# EAGLE board Mk4 Final a Panel score (EAGLE 9.0.1), part 20 of 24
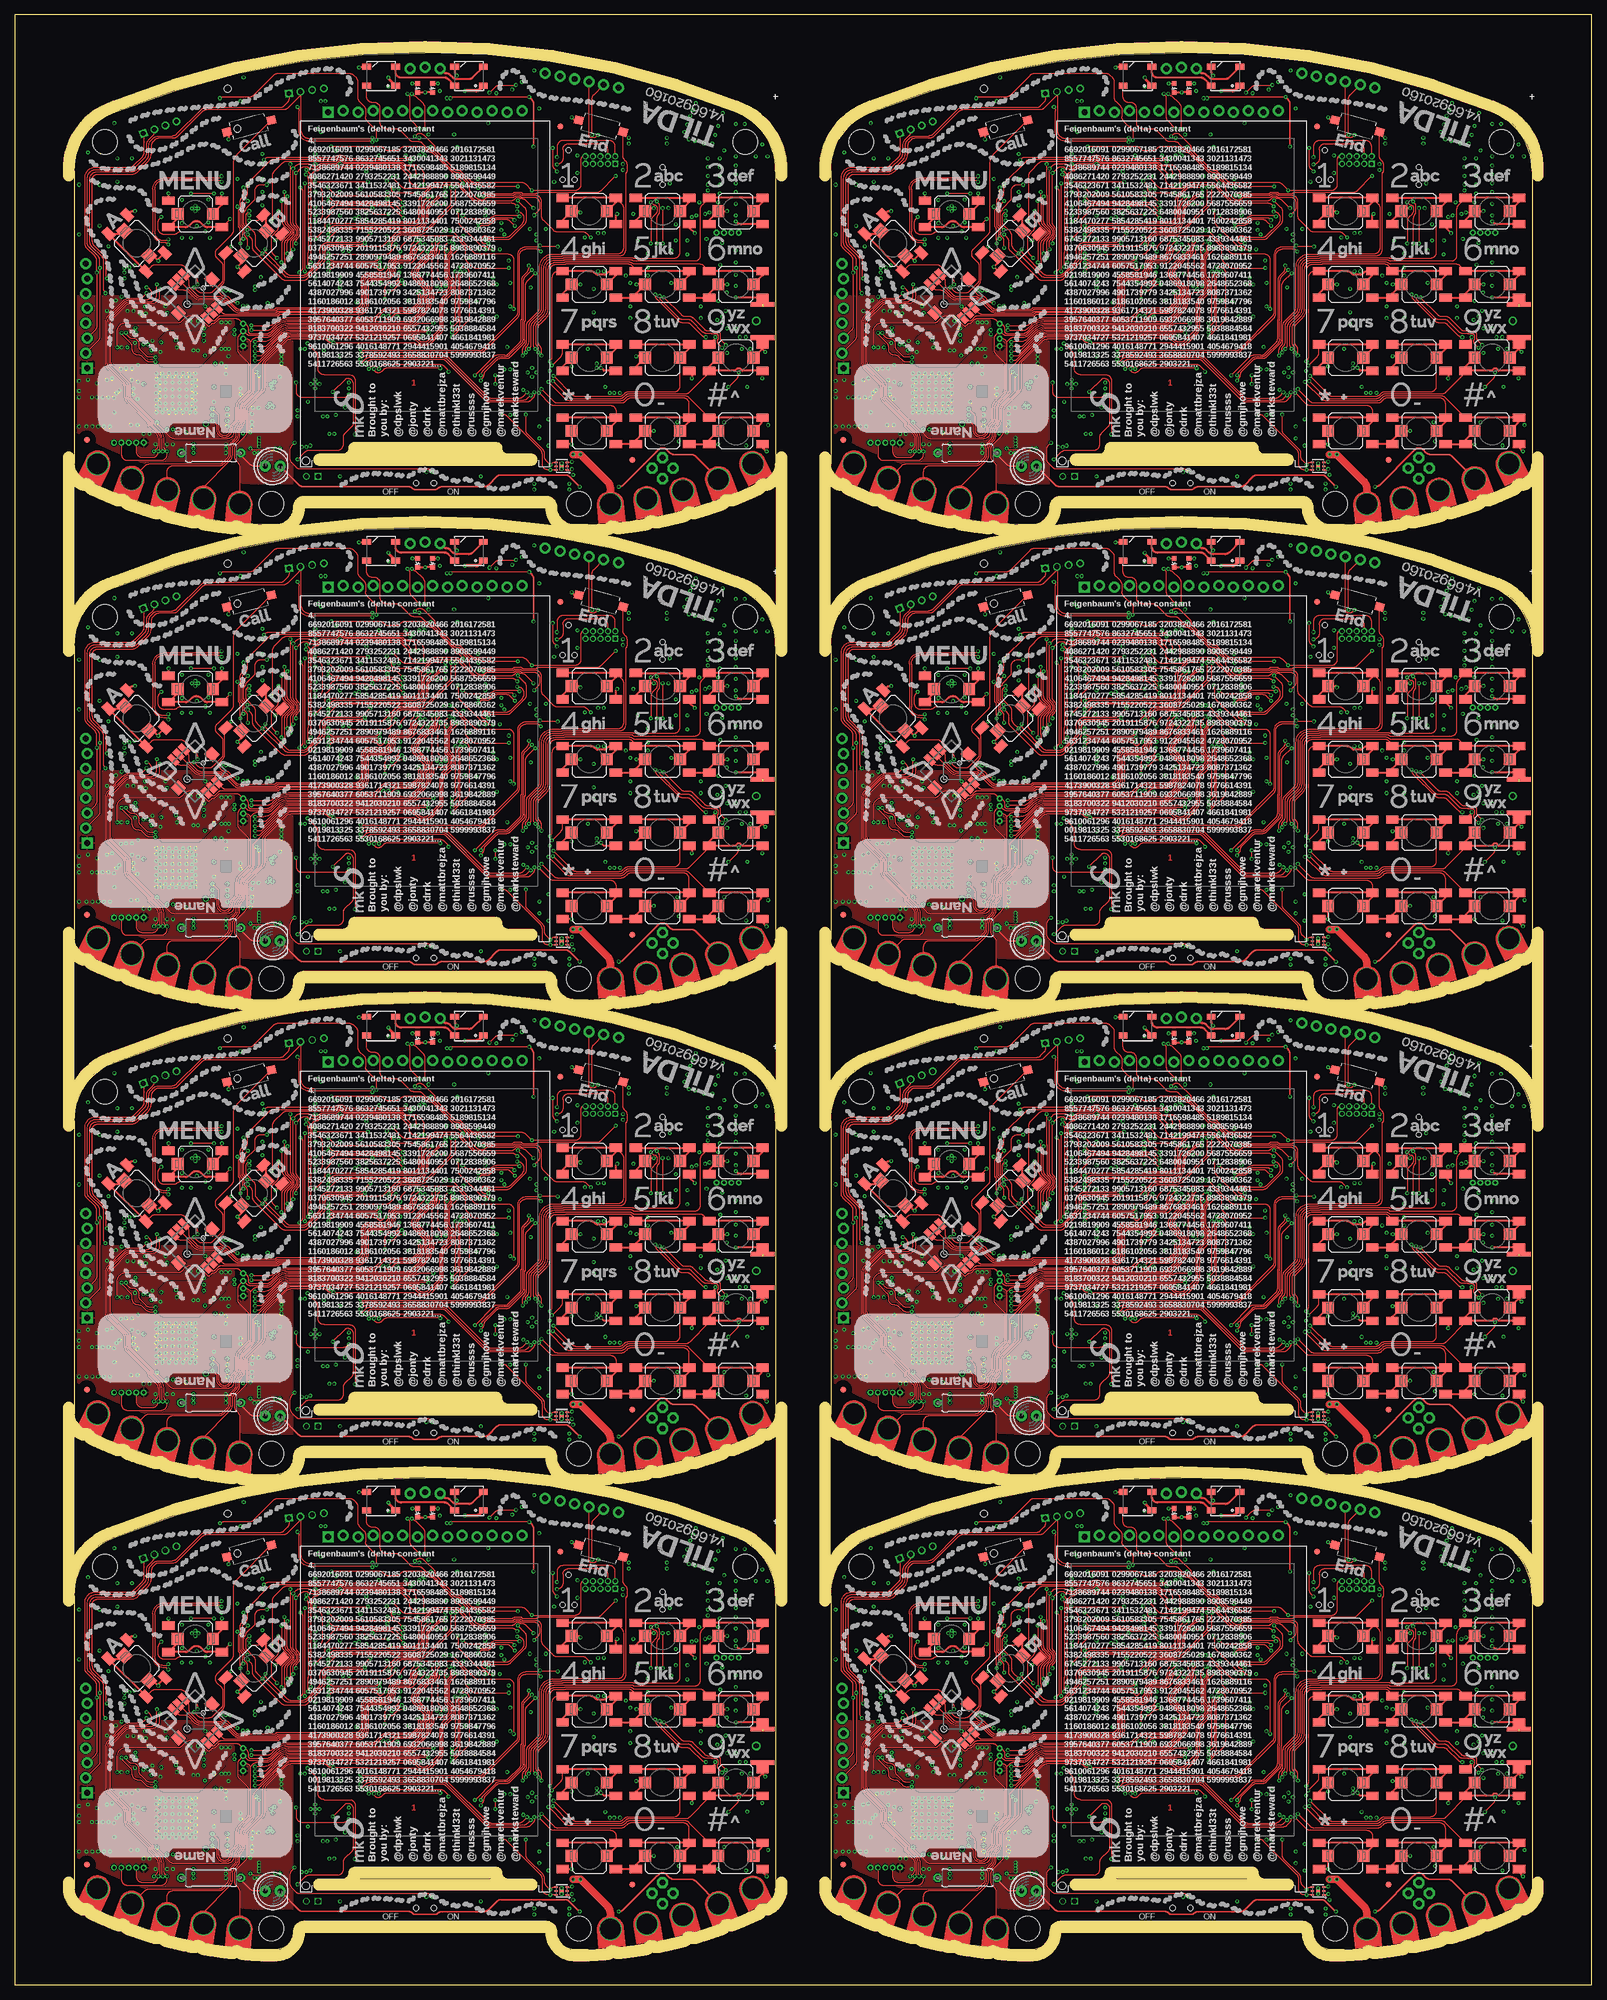
[diagram p0: board, top side]
## Tracks (layer width: path | path; a pad name or v marks a point on that pad's centre or on a via) (continued)
SSI2_CC_MISO1  (via drill 0.3) (continued)
  Top 0.15: v170,34.8 171.08,34.8 174.67,38.39 arc-45 175.9,38.9 199.24,38.9 arc-45 v199.6,38.75 | v205.75,49.24 205.53,49.01 arc-45 205.5,48.96 205.19,48.65 arc45 204.9,47.94 204.9,40.21 arc-45 204.61,39.51 203.9,38.8 v203.6,38.8
  Bottom 0.15: IC29.7 157.25,23 R149.1 157.59,22.75 arc-45 158.29,22.46 159.06,21.69 arc45 160.12,21.25 165.45,21.25 arc90 166.7,22.5 166.7,24.43 arc-45 167.07,25.32 168.49,26.74 arc45 169,27.98 169,33.39 arc-45 169.29,34.09 v170,34.8 | IC20.1 205.2,50.6 205.31,50.49 arc-45 205.6,49.79 205.6,49.6 arc45 v205.75,49.24 | v203.6,38.8 203.55,38.75 v199.6,38.75
SSI2_CC_MISO2  (via drill 0.3)
  Top 0.15: v41,115.8 42.08,115.8 45.67,119.39 arc-45 46.9,119.9 70.24,119.9 arc-45 v70.6,119.75 | v76.75,130.24 76.53,130.01 arc-45 76.5,129.96 76.19,129.65 arc45 75.9,128.94 75.9,121.21 arc-45 75.61,120.51 74.9,119.8 v74.6,119.8
  Bottom 0.15: IC47.7 28.25,104 R227.1 28.59,103.75 arc-45 29.29,103.46 30.06,102.69 arc45 31.12,102.25 36.45,102.25 arc90 37.7,103.5 37.7,105.43 arc-45 38.07,106.32 39.49,107.74 arc45 40,108.97 40,114.39 arc-45 40.29,115.09 v41,115.8 | IC38.1 76.2,131.6 76.31,131.49 arc-45 76.6,130.79 76.6,130.6 arc45 v76.75,130.24 | v74.6,119.8 74.55,119.75 v70.6,119.75
SSI2_CC_MISO3  (via drill 0.3)
  Top 0.15: v170,115.8 171.08,115.8 174.67,119.39 arc-45 175.9,119.9 199.24,119.9 arc-45 v199.6,119.75 | v205.75,130.24 205.53,130.01 arc-45 205.5,129.96 205.19,129.65 arc45 204.9,128.94 204.9,121.21 arc-45 204.61,120.51 203.9,119.8 v203.6,119.8
  Bottom 0.15: IC65.7 157.25,104 R305.1 157.59,103.75 arc-45 158.29,103.46 159.06,102.69 arc45 160.12,102.25 165.45,102.25 arc90 166.7,103.5 166.7,105.43 arc-45 167.07,106.32 168.49,107.74 arc45 169,108.97 169,114.39 arc-45 169.29,115.09 v170,115.8 | IC56.1 205.2,131.6 205.31,131.49 arc-45 205.6,130.79 205.6,130.6 arc45 v205.75,130.24 | v203.6,119.8 203.55,119.75 v199.6,119.75
SSI2_CC_MISO4  (via drill 0.3)
  Top 0.15: v41,196.8 42.08,196.8 45.67,200.39 arc-45 46.9,200.9 70.24,200.9 arc-45 v70.6,200.75 | v76.75,211.24 76.53,211.01 arc-45 76.5,210.96 76.19,210.65 arc45 75.9,209.94 75.9,202.21 arc-45 75.61,201.51 74.9,200.8 v74.6,200.8
  Bottom 0.15: IC83.7 28.25,185 R383.1 28.59,184.75 arc-45 29.29,184.46 30.06,183.69 arc45 31.12,183.25 36.45,183.25 arc90 37.7,184.5 37.7,186.43 arc-45 38.07,187.32 39.49,188.74 arc45 40,189.97 40,195.39 arc-45 40.29,196.09 v41,196.8 | IC74.1 76.2,212.6 76.31,212.49 arc-45 76.6,211.79 76.6,211.6 arc45 v76.75,211.24 | v74.6,200.8 74.55,200.75 v70.6,200.75
SSI2_CC_MISO5  (via drill 0.3)
  Top 0.15: v170,196.8 171.08,196.8 174.67,200.39 arc-45 175.9,200.9 199.24,200.9 arc-45 v199.6,200.75 | v205.75,211.24 205.53,211.01 arc-45 205.5,210.96 205.19,210.65 arc45 204.9,209.94 204.9,202.21 arc-45 204.61,201.51 203.9,200.8 v203.6,200.8
  Bottom 0.15: IC101.7 157.25,185 R461.1 157.59,184.75 arc-45 158.29,184.46 159.06,183.69 arc45 160.12,183.25 165.45,183.25 arc90 166.7,184.5 166.7,186.43 arc-45 167.07,187.32 168.49,188.74 arc45 169,189.97 169,195.39 arc-45 169.29,196.09 v170,196.8 | IC92.1 205.2,212.6 205.31,212.49 arc-45 205.6,211.79 205.6,211.6 arc45 v205.75,211.24 | v203.6,200.8 203.55,200.75 v199.6,200.75
SSI2_CC_MISO6  (via drill 0.3)
  Top 0.15: v41,277.8 42.08,277.8 45.67,281.39 arc-45 46.9,281.9 70.24,281.9 arc-45 v70.6,281.75 | v76.75,292.24 76.53,292.01 arc-45 76.5,291.96 76.19,291.65 arc45 75.9,290.94 75.9,283.21 arc-45 75.61,282.51 74.9,281.8 v74.6,281.8
  Bottom 0.15: IC119.7 28.25,266 R539.1 28.59,265.75 arc-45 29.29,265.46 30.06,264.69 arc45 31.12,264.25 36.45,264.25 arc90 37.7,265.5 37.7,267.43 arc-45 38.07,268.32 39.49,269.74 arc45 40,270.98 40,276.39 arc-45 40.29,277.09 v41,277.8 | IC110.1 76.2,293.6 76.31,293.49 arc-45 76.6,292.79 76.6,292.6 arc45 v76.75,292.24 | v74.6,281.8 74.55,281.75 v70.6,281.75
SSI2_CC_MISO7  (via drill 0.3)
  Top 0.15: v170,277.8 171.08,277.8 174.67,281.39 arc-45 175.9,281.9 199.24,281.9 arc-45 v199.6,281.75 | v205.75,292.24 205.53,292.01 arc-45 205.5,291.96 205.19,291.65 arc45 204.9,290.94 204.9,283.21 arc-45 204.61,282.51 203.9,281.8 v203.6,281.8
  Bottom 0.15: IC137.7 157.25,266 R617.1 157.59,265.75 arc-45 158.29,265.46 159.06,264.69 arc45 160.12,264.25 165.45,264.25 arc90 166.7,265.5 166.7,267.43 arc-45 167.07,268.32 168.49,269.74 arc45 169,270.98 169,276.39 arc-45 169.29,277.09 v170,277.8 | IC128.1 205.2,293.6 205.31,293.49 arc-45 205.6,292.79 205.6,292.6 arc45 v205.75,292.24 | v203.6,281.8 203.55,281.75 v199.6,281.75
SSI2_CC_MOSI  (via drill 0.3)
  Top 0.15: v41,35.6 42.45,35.6 45.47,38.61 arc-45 46.88,39.2 69.89,39.2 arc45 v70.59,39.49 v70.6,39.5 | v76,50 76.5,50 arc-90 77.5,49 77.5,41.31 arc-45 77.21,40.61 v74.6,38
  Bottom 0.15: IC15.6 28.75,23.91 arc45 29.04,23.21 30.23,22.02 arc45 31.12,21.65 34.75,21.65 34.78,21.62 36.4,21.62 arc90 37.4,22.62 37.4,24.45 arc-45 37.84,25.51 39.26,26.93 arc45 39.7,28 39.7,33.89 arc-45 39.99,34.59 v41,35.6 | IC1.2 75.8,50.48 arc45 v76,50 | v70.6,39.5 arc90 70,38.9 arc90 70.9,38 v74.6,38
SSI2_CC_MOSI1  (via drill 0.3)
  Top 0.15: v170,35.6 171.45,35.6 174.47,38.61 arc-45 175.88,39.2 198.89,39.2 arc45 v199.59,39.49 v199.6,39.5 | v205,50 205.5,50 arc-90 206.5,49 206.5,41.31 arc-45 206.21,40.61 v203.6,38
  Bottom 0.15: IC29.6 157.75,23.91 arc45 158.04,23.21 159.23,22.02 arc45 160.12,21.65 163.75,21.65 163.78,21.62 165.4,21.62 arc90 166.4,22.62 166.4,24.45 arc-45 166.84,25.51 168.26,26.93 arc45 168.7,28 168.7,33.89 arc-45 168.99,34.59 v170,35.6 | IC20.2 204.8,50.48 arc45 v205,50 | v199.6,39.5 arc90 199,38.9 arc90 199.9,38 v203.6,38
SSI2_CC_MOSI2  (via drill 0.3)
  Top 0.15: v41,116.6 42.45,116.6 45.47,119.61 arc-45 46.88,120.2 69.89,120.2 arc45 v70.59,120.49 v70.6,120.5 | v76,131 76.5,131 arc-90 77.5,130 77.5,122.31 arc-45 77.21,121.61 v74.6,119
  Bottom 0.15: IC47.6 28.75,104.91 arc45 29.04,104.21 30.23,103.02 arc45 31.12,102.65 34.75,102.65 34.78,102.62 36.4,102.62 arc90 37.4,103.62 37.4,105.45 arc-45 37.84,106.51 39.26,107.94 arc45 39.7,109 39.7,114.89 arc-45 39.99,115.59 v41,116.6 | IC38.2 75.8,131.48 arc45 v76,131 | v70.6,120.5 arc90 70,119.9 arc90 70.9,119 v74.6,119
SSI2_CC_MOSI3  (via drill 0.3)
  Top 0.15: v170,116.6 171.45,116.6 174.47,119.61 arc-45 175.88,120.2 198.89,120.2 arc45 v199.59,120.49 v199.6,120.5 | v205,131 205.5,131 arc-90 206.5,130 206.5,122.31 arc-45 206.21,121.61 v203.6,119
  Bottom 0.15: IC65.6 157.75,104.91 arc45 158.04,104.21 159.23,103.02 arc45 160.12,102.65 163.75,102.65 163.78,102.62 165.4,102.62 arc90 166.4,103.62 166.4,105.45 arc-45 166.84,106.51 168.26,107.94 arc45 168.7,109 168.7,114.89 arc-45 168.99,115.59 v170,116.6 | IC56.2 204.8,131.48 arc45 v205,131 | v199.6,120.5 arc90 199,119.9 arc90 199.9,119 v203.6,119
SSI2_CC_MOSI4  (via drill 0.3)
  Top 0.15: v41,197.6 42.45,197.6 45.47,200.61 arc-45 46.88,201.2 69.89,201.2 arc45 v70.59,201.49 v70.6,201.5 | v76,212 76.5,212 arc-90 77.5,211 77.5,203.31 arc-45 77.21,202.61 v74.6,200
  Bottom 0.15: IC83.6 28.75,185.91 arc45 29.04,185.21 30.23,184.02 arc45 31.12,183.65 34.75,183.65 34.78,183.62 36.4,183.62 arc90 37.4,184.62 37.4,186.45 arc-45 37.84,187.51 39.26,188.94 arc45 39.7,190 39.7,195.89 arc-45 39.99,196.59 v41,197.6 | IC74.2 75.8,212.48 arc45 v76,212 | v70.6,201.5 arc90 70,200.9 arc90 70.9,200 v74.6,200
SSI2_CC_MOSI5  (via drill 0.3)
  Top 0.15: v170,197.6 171.45,197.6 174.47,200.61 arc-45 175.88,201.2 198.89,201.2 arc45 v199.59,201.49 v199.6,201.5 | v205,212 205.5,212 arc-90 206.5,211 206.5,203.31 arc-45 206.21,202.61 v203.6,200
  Bottom 0.15: IC101.6 157.75,185.91 arc45 158.04,185.21 159.23,184.02 arc45 160.12,183.65 163.75,183.65 163.78,183.62 165.4,183.62 arc90 166.4,184.62 166.4,186.45 arc-45 166.84,187.51 168.26,188.94 arc45 168.7,190 168.7,195.89 arc-45 168.99,196.59 v170,197.6 | IC92.2 204.8,212.48 arc45 v205,212 | v199.6,201.5 arc90 199,200.9 arc90 199.9,200 v203.6,200
SSI2_CC_MOSI6  (via drill 0.3)
  Top 0.15: v41,278.6 42.45,278.6 45.47,281.61 arc-45 46.88,282.2 69.89,282.2 arc45 v70.59,282.49 v70.6,282.5 | v76,293 76.5,293 arc-90 77.5,292 77.5,284.31 arc-45 77.21,283.61 v74.6,281
  Bottom 0.15: IC119.6 28.75,266.91 arc45 29.04,266.21 30.23,265.02 arc45 31.12,264.65 34.75,264.65 34.78,264.62 36.4,264.62 arc90 37.4,265.62 37.4,267.45 arc-45 37.84,268.51 39.26,269.94 arc45 39.7,271 39.7,276.89 arc-45 39.99,277.59 v41,278.6 | IC110.2 75.8,293.48 arc45 v76,293 | v70.6,282.5 arc90 70,281.9 arc90 70.9,281 v74.6,281
SSI2_CC_MOSI7  (via drill 0.3)
  Top 0.15: v170,278.6 171.45,278.6 174.47,281.61 arc-45 175.88,282.2 198.89,282.2 arc45 v199.59,282.49 v199.6,282.5 | v205,293 205.5,293 arc-90 206.5,292 206.5,284.31 arc-45 206.21,283.61 v203.6,281
  Bottom 0.15: IC137.6 157.75,266.91 arc45 158.04,266.21 159.23,265.02 arc45 160.12,264.65 163.75,264.65 163.78,264.62 165.4,264.62 arc90 166.4,265.62 166.4,267.45 arc-45 166.84,268.51 168.26,269.94 arc45 168.7,271 168.7,276.89 arc-45 168.99,277.59 v170,278.6 | IC128.2 204.8,293.48 arc45 v205,293 | v199.6,282.5 arc90 199,281.9 arc90 199.9,281 v203.6,281
SSI3_CLK
  Bottom 0.15: IC6.6 79.33,48.5 75.35,48.5 arc-90 74.6,49.25 IC1.5
SSI3_CLK1
  Bottom 0.15: IC22.6 208.33,48.5 204.35,48.5 arc-90 203.6,49.25 IC20.5
SSI3_CLK2
  Bottom 0.15: IC40.6 79.33,129.5 75.35,129.5 arc-90 74.6,130.25 IC38.5
SSI3_CLK3
  Bottom 0.15: IC58.6 208.33,129.5 204.35,129.5 arc-90 203.6,130.25 IC56.5
SSI3_CLK4
  Bottom 0.15: IC76.6 79.33,210.5 75.35,210.5 arc-90 74.6,211.25 IC74.5
SSI3_CLK5
  Bottom 0.15: IC94.6 208.33,210.5 204.35,210.5 arc-90 203.6,211.25 IC92.5
SSI3_CLK6
  Bottom 0.15: IC112.6 79.33,291.5 75.35,291.5 arc-90 74.6,292.25 IC110.5
SSI3_CLK7
  Bottom 0.15: IC130.6 208.33,291.5 204.35,291.5 arc-90 203.6,292.25 IC128.5
SSI3_DAT0  (via drill 0.3)
  Top 0.15: v72.7,53.2 72.6,53.1 arc45 72.45,52.74 72.45,52.56 arc-45 72.3,52.2 arc45 72.2,51.95 72.2,48.41 arc45 72.49,47.71 72.51,47.69 arc-45 72.8,46.99 72.8,46.44 arc-45 v72.7,46.2
  Bottom 0.15: IC1.11 72.2,51.95 arc-45 72.3,52.2 arc45 72.45,52.56 72.45,52.74 arc-45 72.6,53.1 v72.7,53.2 | IC6.5 75.57,47.24 arc45 74.86,46.95 74.4,46.49 arc-45 73.7,46.2 v72.7,46.2
SSI3_DAT1  (via drill 0.3)
  Top 0.15: v84.3,49.8 78.67,49.8 arc-45 77.97,50.09 77.09,50.97 arc-45 76.8,51.67 76.8,53.09 arc45 76.51,53.79 75.39,54.91 arc45 74.69,55.2 68.01,55.2 arc45 67.31,54.91 66.09,53.69 arc45 65.8,52.99 v65.8,52.6
  Bottom 0.15: IC1.27 v65.8,52.6 | IC6.2 84.31,49.78 v84.3,49.8
SSI3_DAT2  (via drill 0.3)
  Top 0.15: v213.3,49.8 207.67,49.8 arc-45 206.97,50.09 206.09,50.97 arc-45 205.8,51.67 205.8,53.09 arc45 205.51,53.79 204.39,54.91 arc45 203.69,55.2 197.01,55.2 arc45 196.31,54.91 195.09,53.69 arc45 194.8,52.99 v194.8,52.6
  Bottom 0.15: IC20.27 v194.8,52.6 | IC22.2 213.31,49.78 v213.3,49.8
SSI3_DAT3  (via drill 0.3)
  Top 0.15: v201.7,53.2 201.6,53.1 arc45 201.45,52.74 201.45,52.56 arc-45 201.3,52.2 arc45 201.2,51.95 201.2,48.41 arc45 201.49,47.71 201.51,47.69 arc-45 201.8,46.99 201.8,46.44 arc-45 v201.7,46.2
  Bottom 0.15: IC20.11 201.2,51.95 arc-45 201.3,52.2 arc45 201.45,52.56 201.45,52.74 arc-45 201.6,53.1 v201.7,53.2 | IC22.5 204.57,47.24 arc45 203.86,46.95 203.4,46.49 arc-45 202.7,46.2 v201.7,46.2
SSI3_DAT4  (via drill 0.3)
  Top 0.15: v84.3,130.8 78.67,130.8 arc-45 77.97,131.09 77.09,131.97 arc-45 76.8,132.67 76.8,134.09 arc45 76.51,134.79 75.39,135.91 arc45 74.69,136.2 68.01,136.2 arc45 67.31,135.91 66.09,134.69 arc45 65.8,133.99 v65.8,133.6
  Bottom 0.15: IC38.27 v65.8,133.6 | IC40.2 84.31,130.78 v84.3,130.8
SSI3_DAT5  (via drill 0.3)
  Top 0.15: v72.7,134.2 72.6,134.1 arc45 72.45,133.74 72.45,133.56 arc-45 72.3,133.2 arc45 72.2,132.95 72.2,129.41 arc45 72.49,128.71 72.51,128.69 arc-45 72.8,127.99 72.8,127.44 arc-45 v72.7,127.2
  Bottom 0.15: IC38.11 72.2,132.95 arc-45 72.3,133.2 arc45 72.45,133.56 72.45,133.74 arc-45 72.6,134.1 v72.7,134.2 | IC40.5 75.57,128.25 arc45 74.86,127.95 74.4,127.49 arc-45 73.7,127.2 v72.7,127.2
SSI3_DAT6  (via drill 0.3)
  Top 0.15: v213.3,130.8 207.67,130.8 arc-45 206.97,131.09 206.09,131.97 arc-45 205.8,132.67 205.8,134.09 arc45 205.51,134.79 204.39,135.91 arc45 203.69,136.2 197.01,136.2 arc45 196.31,135.91 195.09,134.69 arc45 194.8,133.99 v194.8,133.6
  Bottom 0.15: IC56.27 v194.8,133.6 | IC58.2 213.31,130.78 v213.3,130.8
SSI3_DAT7  (via drill 0.3)
  Top 0.15: v201.7,134.2 201.6,134.1 arc45 201.45,133.74 201.45,133.56 arc-45 201.3,133.2 arc45 201.2,132.95 201.2,129.41 arc45 201.49,128.71 201.51,128.69 arc-45 201.8,127.99 201.8,127.44 arc-45 v201.7,127.2
  Bottom 0.15: IC56.11 201.2,132.95 arc-45 201.3,133.2 arc45 201.45,133.56 201.45,133.74 arc-45 201.6,134.1 v201.7,134.2 | IC58.5 204.57,128.25 arc45 203.86,127.95 203.4,127.49 arc-45 202.7,127.2 v201.7,127.2
SSI3_DAT8  (via drill 0.3)
  Top 0.15: v84.3,211.8 78.67,211.8 arc-45 77.97,212.09 77.09,212.97 arc-45 76.8,213.67 76.8,215.09 arc45 76.51,215.79 75.39,216.91 arc45 74.69,217.2 68.01,217.2 arc45 67.31,216.91 66.09,215.69 arc45 65.8,214.99 v65.8,214.6
  Bottom 0.15: IC74.27 v65.8,214.6 | IC76.2 84.31,211.78 v84.3,211.8
SSI3_DAT9  (via drill 0.3)
  Top 0.15: v72.7,215.2 72.6,215.1 arc45 72.45,214.74 72.45,214.56 arc-45 72.3,214.2 arc45 72.2,213.95 72.2,210.41 arc45 72.49,209.71 72.51,209.69 arc-45 72.8,208.99 72.8,208.44 arc-45 v72.7,208.2
  Bottom 0.15: IC74.11 72.2,213.95 arc-45 72.3,214.2 arc45 72.45,214.56 72.45,214.74 arc-45 72.6,215.1 v72.7,215.2 | IC76.5 75.57,209.25 arc45 74.86,208.95 74.4,208.49 arc-45 73.7,208.2 v72.7,208.2
SSI3_DAT10  (via drill 0.3)
  Top 0.15: v213.3,211.8 207.67,211.8 arc-45 206.97,212.09 206.09,212.97 arc-45 205.8,213.67 205.8,215.09 arc45 205.51,215.79 204.39,216.91 arc45 203.69,217.2 197.01,217.2 arc45 196.31,216.91 195.09,215.69 arc45 194.8,214.99 v194.8,214.6
  Bottom 0.15: IC92.27 v194.8,214.6 | IC94.2 213.31,211.78 v213.3,211.8
SSI3_DAT11  (via drill 0.3)
  Top 0.15: v201.7,215.2 201.6,215.1 arc45 201.45,214.74 201.45,214.56 arc-45 201.3,214.2 arc45 201.2,213.95 201.2,210.41 arc45 201.49,209.71 201.51,209.69 arc-45 201.8,208.99 201.8,208.44 arc-45 v201.7,208.2
  Bottom 0.15: IC92.11 201.2,213.95 arc-45 201.3,214.2 arc45 201.45,214.56 201.45,214.74 arc-45 201.6,215.1 v201.7,215.2 | IC94.5 204.57,209.25 arc45 203.86,208.95 203.4,208.49 arc-45 202.7,208.2 v201.7,208.2
SSI3_DAT12  (via drill 0.3)
  Top 0.15: v84.3,292.8 78.67,292.8 arc-45 77.97,293.09 77.09,293.96 arc-45 76.8,294.67 76.8,296.09 arc45 76.51,296.79 75.39,297.91 arc45 74.69,298.2 68.01,298.2 arc45 67.31,297.91 66.09,296.69 arc45 65.8,295.99 v65.8,295.6
  Bottom 0.15: IC110.27 v65.8,295.6 | IC112.2 84.31,292.79 v84.3,292.8
SSI3_DAT13  (via drill 0.3)
  Top 0.15: v72.7,296.2 72.6,296.1 arc45 72.45,295.74 72.45,295.56 arc-45 72.3,295.2 arc45 72.2,294.95 72.2,291.41 arc45 72.49,290.71 72.51,290.69 arc-45 72.8,289.99 72.8,289.44 arc-45 v72.7,289.2
  Bottom 0.15: IC110.11 72.2,294.95 arc-45 72.3,295.2 arc45 72.45,295.56 72.45,295.74 arc-45 72.6,296.1 v72.7,296.2 | IC112.5 75.57,290.25 arc45 74.86,289.95 74.4,289.49 arc-45 73.7,289.2 v72.7,289.2
SSI3_DAT14  (via drill 0.3)
  Top 0.15: v213.3,292.8 207.67,292.8 arc-45 206.97,293.09 206.09,293.96 arc-45 205.8,294.67 205.8,296.09 arc45 205.51,296.79 204.39,297.91 arc45 203.69,298.2 197.01,298.2 arc45 196.31,297.91 195.09,296.69 arc45 194.8,295.99 v194.8,295.6
  Bottom 0.15: IC128.27 v194.8,295.6 | IC130.2 213.31,292.79 v213.3,292.8
SSI3_DAT15  (via drill 0.3)
  Top 0.15: v201.7,296.2 201.6,296.1 arc45 201.45,295.74 201.45,295.56 arc-45 201.3,295.2 arc45 201.2,294.95 201.2,291.41 arc45 201.49,290.71 201.51,290.69 arc-45 201.8,289.99 201.8,289.44 arc-45 v201.7,289.2
  Bottom 0.15: IC128.11 201.2,294.95 arc-45 201.3,295.2 arc45 201.45,295.56 201.45,295.74 arc-45 201.6,296.1 v201.7,296.2 | IC130.5 204.57,290.25 arc45 203.86,289.95 203.4,289.49 arc-45 202.7,289.2 v201.7,289.2
SSI3_FSS  (via drill 0.3)
  3V3@2 0.15: v81.6,48.2 81.6,48.6 81.6,48.7 83.95,51.05 v84.25,51.05
  Bottom 0.15: IC1.6 74.2,48.9 arc90 75.2,47.9 80.49,47.9 arc45 80.85,48.05 80.85,48.05 arc-45 81.21,48.2 v81.6,48.2 | v84.25,51.05 IC6.1
SSI3_FSS1  (via drill 0.3)
  3V3@2 0.15: v210.6,48.2 210.6,48.6 210.6,48.7 212.96,51.05 v213.25,51.05
  Bottom 0.15: IC20.6 203.2,48.9 arc90 204.2,47.9 209.49,47.9 arc45 209.85,48.05 209.85,48.05 arc-45 210.21,48.2 v210.6,48.2 | v213.25,51.05 IC22.1
SSI3_FSS2  (via drill 0.3)
  3V3@2 0.15: v81.6,129.2 81.6,129.6 81.6,129.7 83.95,132.06 v84.25,132.06
  Bottom 0.15: IC38.6 74.2,129.9 arc90 75.2,128.9 80.49,128.9 arc45 80.85,129.05 80.85,129.05 arc-45 81.21,129.2 v81.6,129.2 | v84.25,132.06 IC40.1
SSI3_FSS3  (via drill 0.3)
  3V3@2 0.15: v210.6,129.2 210.6,129.6 210.6,129.7 212.96,132.06 v213.25,132.06
  Bottom 0.15: IC56.6 203.2,129.9 arc90 204.2,128.9 209.49,128.9 arc45 209.85,129.05 209.85,129.05 arc-45 210.21,129.2 v210.6,129.2 | v213.25,132.06 IC58.1
SSI3_FSS4  (via drill 0.3)
  3V3@2 0.15: v81.6,210.2 81.6,210.6 81.6,210.7 83.95,213.06 v84.25,213.06
  Bottom 0.15: IC74.6 74.2,210.9 arc90 75.2,209.9 80.49,209.9 arc45 80.85,210.05 80.85,210.05 arc-45 81.21,210.2 v81.6,210.2 | v84.25,213.06 IC76.1
SSI3_FSS5  (via drill 0.3)
  3V3@2 0.15: v210.6,210.2 210.6,210.6 210.6,210.7 212.96,213.06 v213.25,213.06
  Bottom 0.15: IC92.6 203.2,210.9 arc90 204.2,209.9 209.49,209.9 arc45 209.85,210.05 209.85,210.05 arc-45 210.21,210.2 v210.6,210.2 | v213.25,213.06 IC94.1
SSI3_FSS6  (via drill 0.3)
  3V3@2 0.15: v81.6,291.2 81.6,291.6 81.6,291.7 83.95,294.06 v84.25,294.06
  Bottom 0.15: IC110.6 74.2,291.9 arc90 75.2,290.9 80.49,290.9 arc45 80.85,291.05 80.85,291.05 arc-45 81.21,291.2 v81.6,291.2 | v84.25,294.06 IC112.1
SSI3_FSS7  (via drill 0.3)
  3V3@2 0.15: v210.6,291.2 210.6,291.6 210.6,291.7 212.96,294.06 v213.25,294.06
  Bottom 0.15: IC128.6 203.2,291.9 arc90 204.2,290.9 209.49,290.9 arc45 209.85,291.05 209.85,291.05 arc-45 210.21,291.2 v210.6,291.2 | v213.25,294.06 IC130.1
SW
  Bottom 0.25: IC9.6 43.1,20.35
  Bottom 0.5: 43.1,20.35 L4.1
SW1
  Bottom 0.25: IC33.6 172.1,20.35
  Bottom 0.5: 172.1,20.35 L11.1
SW2
  Bottom 0.25: IC51.6 43.1,101.35
  Bottom 0.5: 43.1,101.35 L20.1
SW3
  Bottom 0.25: IC69.6 172.1,101.35
  Bottom 0.5: 172.1,101.35 L29.1
SW4
  Bottom 0.25: IC87.6 43.1,182.35
  Bottom 0.5: 43.1,182.35 L38.1
SW5
  Bottom 0.25: IC105.6 172.1,182.35
  Bottom 0.5: 172.1,182.35 L47.1
SW6
  Bottom 0.25: IC123.6 43.1,263.35
  Bottom 0.5: 43.1,263.35 L56.1
SW7
  Bottom 0.25: IC141.6 172.1,263.35
  Bottom 0.5: 172.1,263.35 L65.1
SWCLK  (via drill 0.3)
  Top 0.2: J3.4 101.17,70 arc90 100.17,71 94.5,71 arc90 93.5,70 93.5,68.45 arc-90 92.55,67.5 v92.5,67.45
  Bottom 0.2: IC1.100 80.59,64 arc45 81.29,64.29 82.21,65.21 arc-45 82.91,65.5 88.69,65.5 arc45 89.39,65.79 90.76,67.16 arc-45 91.46,67.45 v92.5,67.45 92.59,67.36 JP4.4
SWCLK1  (via drill 0.3)
  Top 0.2: J13.4 230.17,70 arc90 229.17,71 223.5,71 arc90 222.5,70 222.5,68.45 arc-90 221.55,67.5 v221.5,67.45
  Bottom 0.2: IC20.100 209.59,64 arc45 210.29,64.29 211.21,65.21 arc-45 211.91,65.5 217.69,65.5 arc45 218.39,65.79 219.76,67.16 arc-45 220.46,67.45 v221.5,67.45 221.59,67.36 JP10.4
SWCLK2  (via drill 0.3)
  Top 0.2: J23.4 101.17,151 arc90 100.17,152 94.5,152 arc90 93.5,151 93.5,149.45 arc-90 92.55,148.5 v92.5,148.45
  Bottom 0.2: IC38.100 80.59,145 arc45 81.29,145.29 82.21,146.21 arc-45 82.91,146.5 88.69,146.5 arc45 89.39,146.79 90.76,148.16 arc-45 91.46,148.45 v92.5,148.45 92.59,148.36 JP19.4
SWCLK3  (via drill 0.3)
  Top 0.2: J33.4 230.17,151 arc90 229.17,152 223.5,152 arc90 222.5,151 222.5,149.45 arc-90 221.55,148.5 v221.5,148.45
  Bottom 0.2: IC56.100 209.59,145 arc45 210.29,145.29 211.21,146.21 arc-45 211.91,146.5 217.69,146.5 arc45 218.39,146.79 219.76,148.16 arc-45 220.46,148.45 v221.5,148.45 221.59,148.36 JP28.4
SWCLK4  (via drill 0.3)
  Top 0.2: J43.4 101.17,232 arc90 100.17,233 94.5,233 arc90 93.5,232 93.5,230.45 arc-90 92.55,229.5 v92.5,229.45
  Bottom 0.2: IC74.100 80.59,226 arc45 81.29,226.29 82.21,227.21 arc-45 82.91,227.5 88.69,227.5 arc45 89.39,227.79 90.76,229.16 arc-45 91.46,229.45 v92.5,229.45 92.59,229.36 JP37.4
SWCLK5  (via drill 0.3)
  Top 0.2: J53.4 230.17,232 arc90 229.17,233 223.5,233 arc90 222.5,232 222.5,230.45 arc-90 221.55,229.5 v221.5,229.45
  Bottom 0.2: IC92.100 209.59,226 arc45 210.29,226.29 211.21,227.21 arc-45 211.91,227.5 217.69,227.5 arc45 218.39,227.79 219.76,229.16 arc-45 220.46,229.45 v221.5,229.45 221.59,229.36 JP46.4
SWCLK6  (via drill 0.3)
  Top 0.2: J63.4 101.17,313 arc90 100.17,314 94.5,314 arc90 93.5,313 93.5,311.45 arc-90 92.55,310.5 v92.5,310.45
  Bottom 0.2: IC110.100 80.59,307 arc45 81.29,307.29 82.21,308.21 arc-45 82.91,308.5 88.69,308.5 arc45 89.39,308.79 90.76,310.16 arc-45 91.46,310.45 v92.5,310.45 92.59,310.36 JP55.4
SWCLK7  (via drill 0.3)
  Top 0.2: J73.4 230.17,313 arc90 229.17,314 223.5,314 arc90 222.5,313 222.5,311.45 arc-90 221.55,310.5 v221.5,310.45
  Bottom 0.2: IC128.100 209.59,307 arc45 210.29,307.29 211.21,308.21 arc-45 211.91,308.5 217.69,308.5 arc45 218.39,308.79 219.76,310.16 arc-45 220.46,310.45 v221.5,310.45 221.59,310.36 JP64.4
SWDIO  (via drill 0.3)
  Top 0.2: J3.2 102.44,70.5 arc90 101.44,71.5 93.5,71.5 arc90 92.5,70.5 v92.5,68.7
  Bottom 0.2: IC1.99 80.49,64.4 arc45 81.19,64.69 82.06,65.56 arc-45 82.76,65.85 88.44,65.85 arc45 89.14,66.14 91.41,68.41 arc-45 92.11,68.7 v92.5,68.7 92.57,68.63 JP4.2
SWDIO1  (via drill 0.3)
  Top 0.2: J13.2 231.44,70.5 arc90 230.44,71.5 222.5,71.5 arc90 221.5,70.5 v221.5,68.7
  Bottom 0.2: IC20.99 209.49,64.4 arc45 210.19,64.69 211.06,65.56 arc-45 211.76,65.85 217.44,65.85 arc45 218.14,66.14 220.41,68.41 arc-45 221.11,68.7 v221.5,68.7 221.57,68.63 JP10.2
SWDIO2  (via drill 0.3)
  Top 0.2: J23.2 102.44,151.5 arc90 101.44,152.5 93.5,152.5 arc90 92.5,151.5 v92.5,149.7
  Bottom 0.2: IC38.99 80.49,145.4 arc45 81.19,145.69 82.06,146.56 arc-45 82.76,146.85 88.44,146.85 arc45 89.14,147.14 91.41,149.41 arc-45 92.11,149.7 v92.5,149.7 92.57,149.63 JP19.2
SWDIO3  (via drill 0.3)
  Top 0.2: J33.2 231.44,151.5 arc90 230.44,152.5 222.5,152.5 arc90 221.5,151.5 v221.5,149.7
  Bottom 0.2: IC56.99 209.49,145.4 arc45 210.19,145.69 211.06,146.56 arc-45 211.76,146.85 217.44,146.85 arc45 218.14,147.14 220.41,149.41 arc-45 221.11,149.7 v221.5,149.7 221.57,149.63 JP28.2
SWDIO4  (via drill 0.3)
  Top 0.2: J43.2 102.44,232.5 arc90 101.44,233.5 93.5,233.5 arc90 92.5,232.5 v92.5,230.7
  Bottom 0.2: IC74.99 80.49,226.4 arc45 81.19,226.69 82.06,227.56 arc-45 82.76,227.85 88.44,227.85 arc45 89.14,228.14 91.41,230.41 arc-45 92.11,230.7 v92.5,230.7 92.57,230.63 JP37.2
SWDIO5  (via drill 0.3)
  Top 0.2: J53.2 231.44,232.5 arc90 230.44,233.5 222.5,233.5 arc90 221.5,232.5 v221.5,230.7
  Bottom 0.2: IC92.99 209.49,226.4 arc45 210.19,226.69 211.06,227.56 arc-45 211.76,227.85 217.44,227.85 arc45 218.14,228.14 220.41,230.41 arc-45 221.11,230.7 v221.5,230.7 221.57,230.63 JP46.2
SWDIO6  (via drill 0.3)
  Top 0.2: J63.2 102.44,313.5 arc90 101.44,314.5 93.5,314.5 arc90 92.5,313.5 v92.5,311.7
  Bottom 0.2: IC110.99 80.49,307.4 arc45 81.19,307.69 82.06,308.56 arc-45 82.76,308.85 88.44,308.85 arc45 89.14,309.14 91.41,311.41 arc-45 92.11,311.7 v92.5,311.7 92.57,311.63 JP55.2
SWDIO7  (via drill 0.3)
  Top 0.2: J73.2 231.44,313.5 arc90 230.44,314.5 222.5,314.5 arc90 221.5,313.5 v221.5,311.7
  Bottom 0.2: IC128.99 209.49,307.4 arc45 210.19,307.69 211.06,308.56 arc-45 211.76,308.85 217.44,308.85 arc45 218.14,309.14 220.41,311.41 arc-45 221.11,311.7 v221.5,311.7 221.57,311.63 JP64.2